# Altium PCB LimePSB-RPCM_1v4.PcbDoc (part 2 of 12)
Units mm, origin at the board's own origin, x right, y up, seen from the top; angles counter-clockwise.
Board outline 170 x 110 mm, 6 copper layers (Top, L2, L3, L4, L5, Bottom), stack 1.583 mm thick; 1007 components, 587 nets, 4215 pads, 1928 vias.
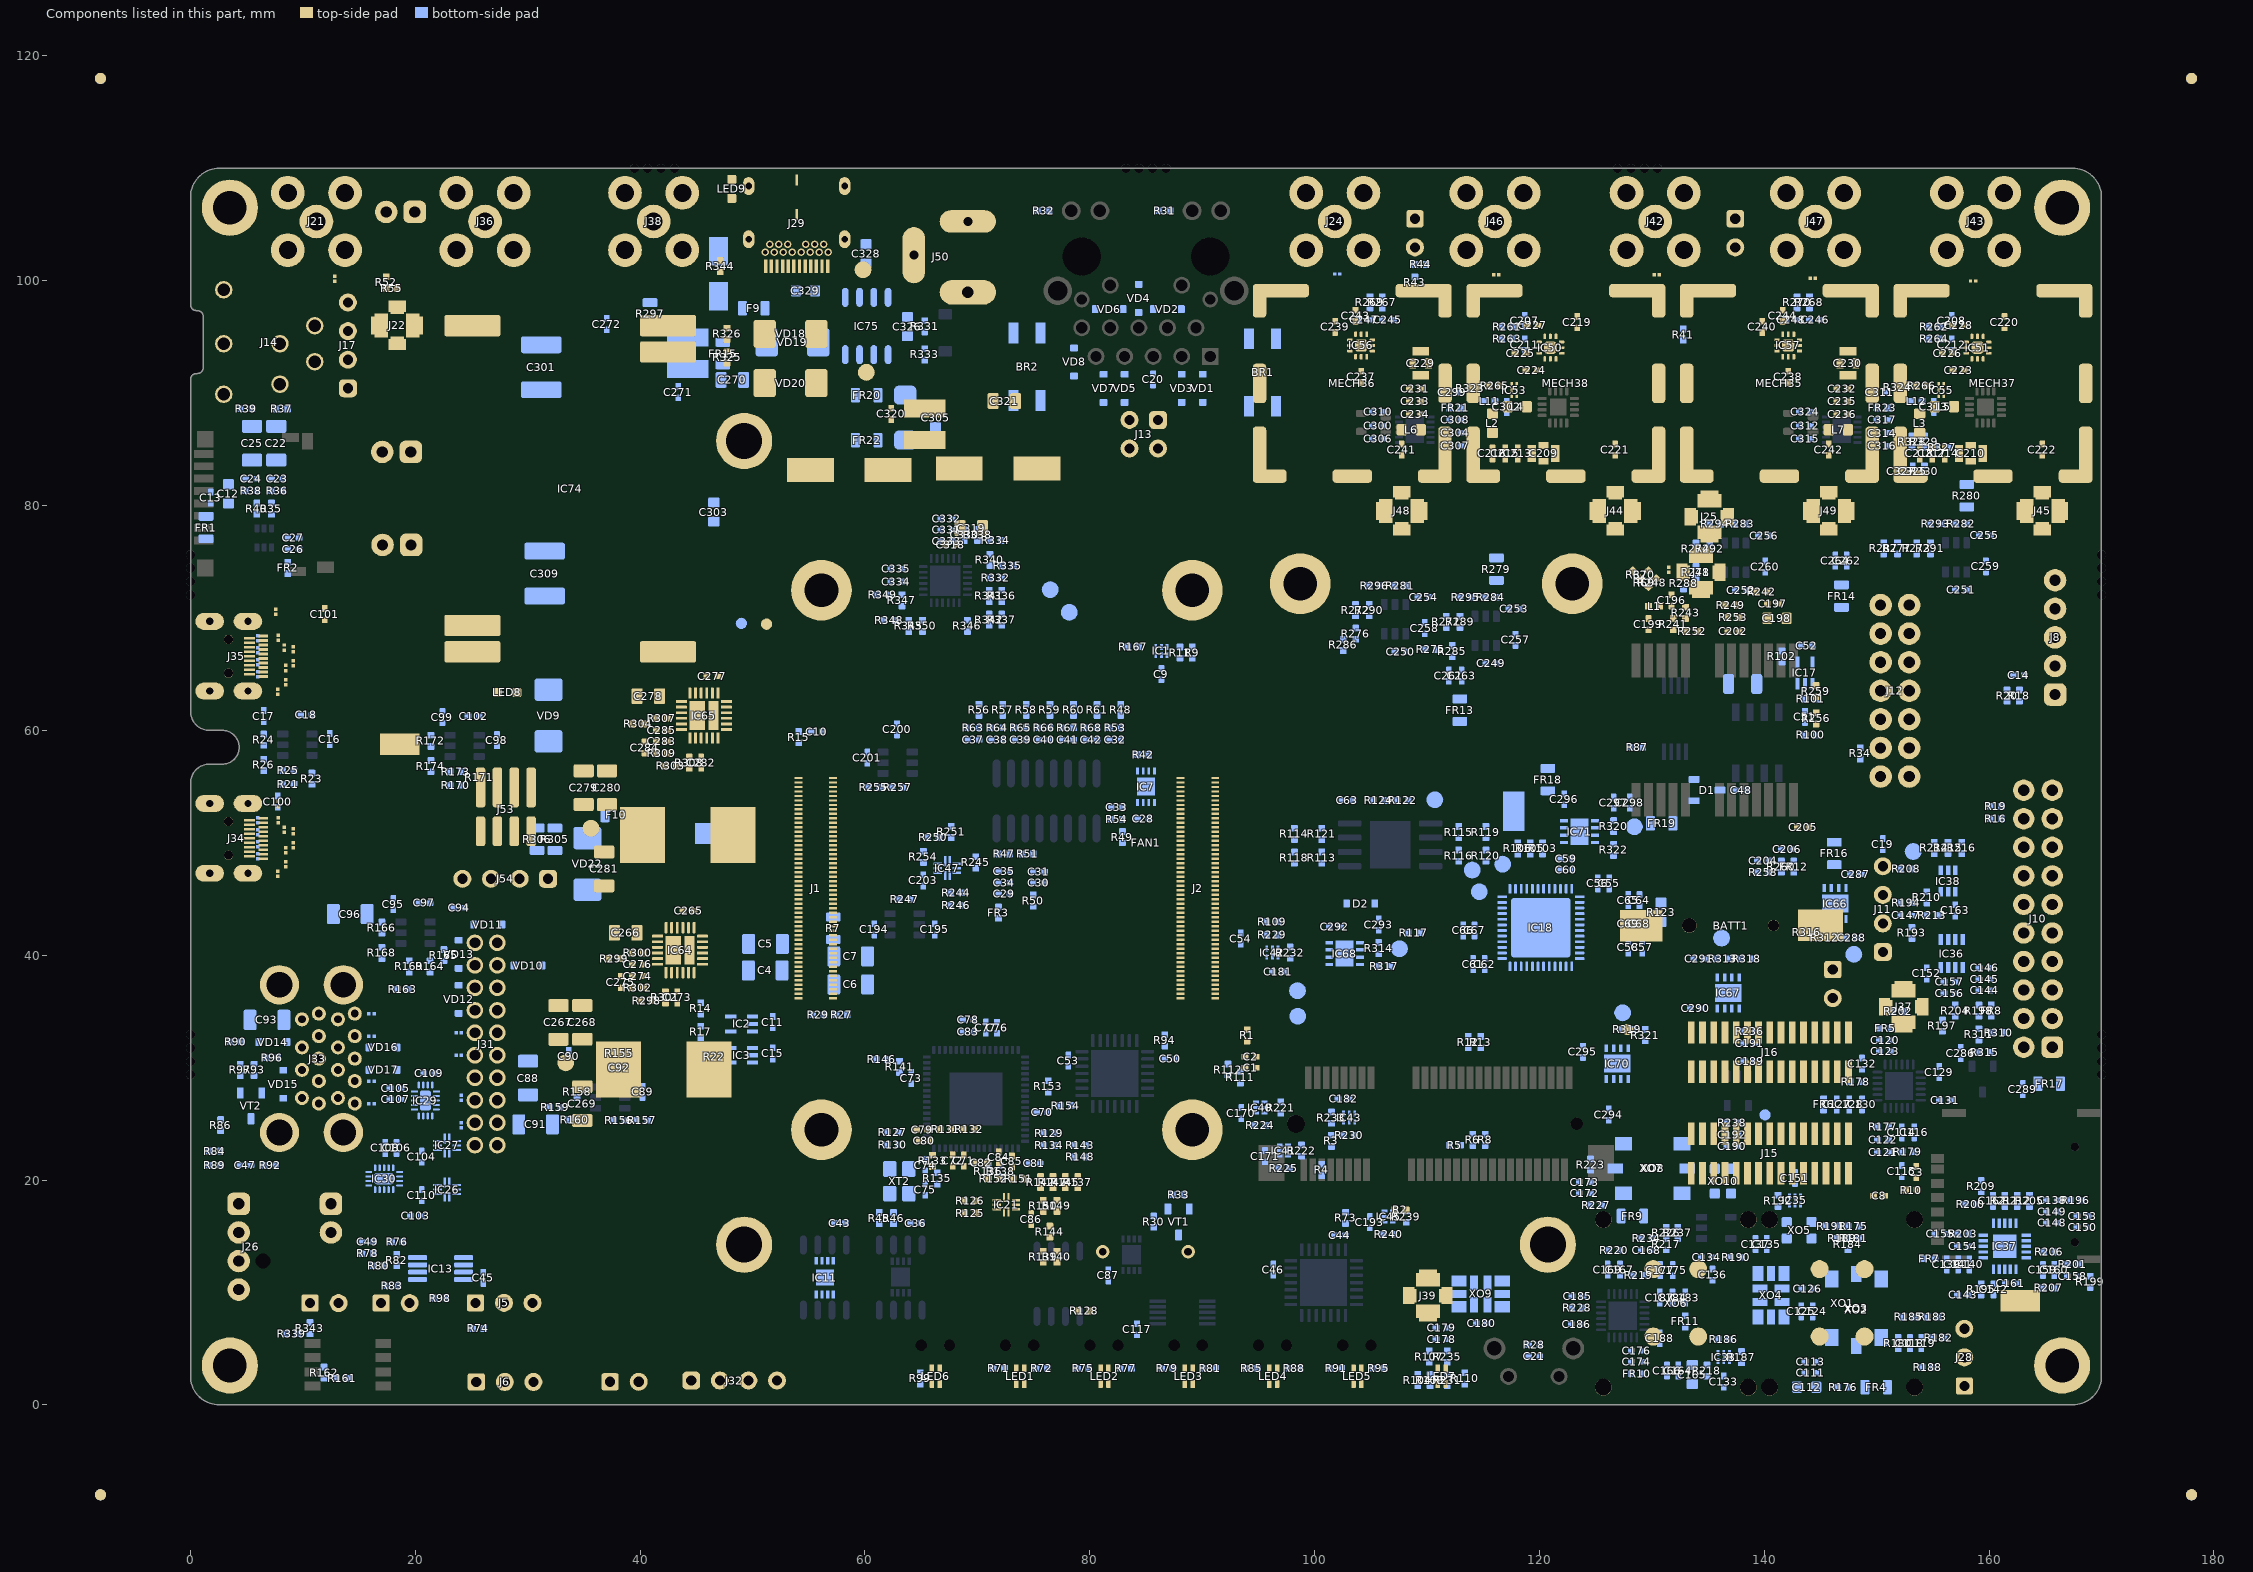
[diagram p6: the components of this part, seen from the top]

## Components (designator, comment, footprint, x,y, rotation, side; value= is the part's Value field where it differs from the comment) (continued)
J31 "Header 10X2" Header10x2_TH_2MM 26.3,32.1 r270 top locked
J32 "USB" HEADER4X1_TH 48.359,2.163 r0 top
J33 "48406-0003" Dual_USB_48406-0003_Molex 11.26,30.8 r270 top locked
J34 "Micro HDMI" MICRO_HDMI_Wurth_685119248123 3.05,50.398 r270 top locked
J35 "Micro HDMI" MICRO_HDMI_Wurth_685119248123 3.05,66.598 r270 top locked
J36 "SMA panel mount" SMA_connector_side 26.2,105.275 r270 top locked
J37 "U.FL/MMCX" MMCX_UFL_conn_u 152.4,35.425 r90 top
J38 "SMA panel mount" SMA_connector_side 41.2,105.275 r270 top locked
J39 "U.FL/MMCX" MMCX_UFL_conn_u 110.075,9.725 r270 top
J40 "Batt" HDR_1x2 146.1,37.45 r0 top
J41 "U.FL/MMCX" MMCX_UFL_conn_u 134.375,74.075 r90 top
J42 "SMA panel mount" SMA_connector_side 130.3,105.275 r270 top locked
J43 "SMA panel mount" SMA_connector_side 158.8,105.275 r270 top locked
J44 "U.FL/MMCX" MMCX_UFL_conn_u 126.74,79.525 r0 top
J45 "U.FL/MMCX" MMCX_UFL_conn_u 164.74,79.525 r0 top
J46 "SMA panel mount" SMA_connector_side 116.05,105.275 r270 top locked
J47 "SMA panel mount" SMA_connector_side 144.55,105.275 r270 top locked
J48 "U.FL/MMCX" MMCX_UFL_conn_u 107.74,79.525 r0 top
J49 "U.FL/MMCX" MMCX_UFL_conn_u 145.74,79.525 r0 top
J50 "CONN_PWR_JACK_2.1x5.5mm" CONN_PWR_JACK_v2 69.15,112.975 r0 top locked
J51 "Header 2X1" Header1x2_TH_LOCKING 18.35,76.5 r0 top
J52 "Header 2X1" Header1x2_TH_LOCKING 18.325,84.775 r0 top
J53 "Scap" 874370443_1P5_SMD_HEADER 28.05,52.975 r270 top
J54 "Scap" HEADER4X1_TH 28,46.8 r180 top
J55 "Header 2X1" HDR_1x2 11.9,9.05 r90 top
L1 "47nH" RES0402#2 130.2,71.05 r0 top
L2 "220nH, 2%" RES0603#1 115.825,87.325 r90 top
L3 "220nH, 2%" RES0603#1 153.825,87.325 r90 top
L4 "22nH, 2%" RES0603#1 118.025,88.8 r0 top
L5 "22nH, 2%" RES0603#1 156.025,88.8 r0 top
L6 "22nH, 2%" RES0603#1 108.59,86.75 r180 top
L7 "22nH, 2%" RES0603#1 146.59,86.75 r180 top
L8 "1uH, 3.2A" NRS4018T3R3MDGJ_inductor 44.225,93.55 r270 bottom
L9 "2.2µH" FDVE1040_TOKO_INDUCTOR 42.089,29.825 r180 top
L10 "3.3µH" FDVE1040_TOKO_INDUCTOR 44.225,50.7 r180 top
L11 "0R" RES0402#1 115.543,89.283 r180 bottom
L12 "0R" RES0402#1 153.543,89.283 r180 bottom
L13 "1uH, 3.2A" NRS4018T3R3MDGJ_inductor 65.325,87.225 r90 top
LED1 "LED_RG_SMD" LED-2x0603 73.785,2.628 r90 top
LED2 "LED_RG_SMD" LED-2x0603 81.285,2.628 r90 top
LED3 "LED_RG_SMD" LED-2x0603 88.785,2.628 r90 top
LED4 "LED_RG_SMD" LED-2x0603 96.285,2.625 r90 top
LED5 "LED_RG_SMD" LED-2x0603 103.785,2.625 r90 top
LED6 "LED_RG_SMD" LED-2x0603 66.285,2.628 r90 top
LED7 "LED_RG_SMD" LED-2x0603 111.285,2.625 r90 top
LED8 "LED_green" LED-0603-GREEN 28.175,63.375 r180 top
LED9 "Green" LED-0603-GREEN 48.15,108.175 r90 top
MECH2 "SMD spacer (M2, 1.5mm)" 9774015243R_SMT_M2_STANDOFF_SPACER 122.925,73.05 r90 top
MECH4 "SMD spacer (M2, 1.5mm)" 9774015243R_SMT_M2_STANDOFF_SPACER 98.725,73.05 r90 top
MECH6 "SMD spacer (M2, 1.5mm)" 9774015243R_SMT_M2_STANDOFF_SPACER 56.125,72.475 r90 top
MECH8 "SMD spacer (M2, 1.5mm)" 9774015243R_SMT_M2_STANDOFF_SPACER 89.125,72.475 r90 top
MECH10 "SMD spacer (M2, 1.5mm)" 9774015243R_SMT_M2_STANDOFF_SPACER 89.125,24.475 r90 top
MECH12 "SMD spacer (M2, 1.5mm)" 9774015243R_SMT_M2_STANDOFF_SPACER 56.125,24.475 r90 top
MECH13 "Light pipe" LIGHT_PIPE_RIGHT_ANGLE_SLP3-200-100-F 73.785,5.303 r270 top locked
MECH14 "Light pipe" LIGHT_PIPE_RIGHT_ANGLE_SLP3-200-100-F 81.285,5.303 r270 top locked
MECH15 "Light pipe" LIGHT_PIPE_RIGHT_ANGLE_SLP3-200-100-F 88.785,5.303 r270 top locked
MECH16 "Light pipe" LIGHT_PIPE_RIGHT_ANGLE_SLP3-200-100-F 96.285,5.303 r270 top locked
MECH17 "Light pipe" LIGHT_PIPE_RIGHT_ANGLE_SLP3-200-100-F 103.785,5.3 r270 top locked
MECH18 "Light pipe" LIGHT_PIPE_RIGHT_ANGLE_SLP3-200-100-F 66.285,5.303 r270 top locked
MECH19 "# pcs." PCB_standoff 3.5,3.5 r180 bottom
MECH20 "# pcs." PCB_standoff 3.5,106.5 r180 bottom
MECH21 "# pcs." PCB_standoff 166.5,106.5 r180 bottom
MECH22 "# pcs." PCB_standoff 166.5,3.5 r180 bottom
MECH35 "RF SHIELD FRAME" RF_SHIELD_FRAME_16P5x16P5_2118716-2_v1 141.35,90.875 r0 top locked
MECH36 "RF SHIELD FRAME" RF_SHIELD_FRAME_16P5x16P5_2118716-2_v1 103.35,90.875 r0 top locked
MECH37 "RF SHIELD FRAME" RF_SHIELD_FRAME_16P5x16P5_2118716-2_v1 160.35,90.875 r0 top locked
MECH38 "RF SHIELD FRAME" RF_SHIELD_FRAME_16P5x16P5_2118716-2_v1 122.35,90.875 r0 top locked
MECH39 "RF SHIELD COVER" RF_SHIELD_COVER_16Px916P9_2118715-2 103.35,90.89 r90 top
MECH40 "RF SHIELD COVER" RF_SHIELD_COVER_16Px916P9_2118715-2 122.35,90.875 r90 top
MECH41 "RF SHIELD COVER" RF_SHIELD_COVER_16Px916P9_2118715-2 160.35,90.875 r90 top
MECH42 "RF SHIELD COVER" RF_SHIELD_COVER_16Px916P9_2118715-2 141.35,90.89 r90 top
R1 "0R" RES0402#2 94,32.875 r270 top
R2 "0R" RES0402_v2#1 107.625,17.35 r0 top
R3 "0R" RES0402#1 101.5,23.475 r90 bottom
R4 "0R" RES0402#1 100.625,20.9 r270 bottom
R5 "0R" RES0402#1 112.475,23.1 r180 bottom
R6 "0R" RES0402#1 114.075,23.575 r90 bottom
R7 "0R" RES0805 57.175,42.4 r90 bottom
R8 "0R" RES0402#1 115.175,23.575 r90 bottom
R9 "0R" RES0402#1 89.125,66.925 r270 bottom
R10 "0R" RES0402#2 153.09,19.11 r0 top
R11 "0R" RES0402#1 88.025,66.925 r270 bottom
R12 "0R" RES0402#1 113.675,32.275 r90 bottom
R13 "0R" RES0402#1 114.775,32.275 r90 bottom
R14 "100k, 1%" RES0402#1 45.4,35.275 r270 bottom
R15 "10k, 1%" RES0402#1 54.1,59.4 r90 bottom
R16 "2k2, 1%" RES0402#1 160.6,52.15 r180 bottom
R17 "0R" RES0402#1 45.4,33.175 r90 bottom
R18 "0R" RES0402#1 162.7,63.1 r90 bottom
R19 "2k2, 1%" RES0402#1 160.6,53.25 r180 bottom
R20 "0R" RES0402#1 161.6,63.1 r90 bottom
R21 "0R" RES0402#1 8.7,55.213 r0 bottom
R22 "0R" RES0402#1 46.575,30.95 r90 bottom
R23 "10k, 1%" RES0402#1 10.8,55.7 r270 bottom
R24 "0R" RES0402#1 6.51,59.173 r90 bottom
R25 "10k, 1%" RES0402#1 8.7,56.438 r180 bottom
R26 "470R, 1%" RES0402#1 6.51,56.923 r90 bottom
R27 "0R" RES0402_v2#2 57.925,34.7 r180 bottom
R28 "10k, 1%" RES0402#1 119.525,5.355 r180 bottom
R29 "0R" RES0402_v2#2 55.85,34.7 r0 bottom
R30 "0R" RES0402#1 85.685,16.29 r270 bottom
R31 "470R, 1%" RES0402#1 86.65,106.225 r180 bottom
R32 "470R, 1%" RES0402#1 75.9,106.225 r180 bottom
R33 "1k, 1%" RES0402#1 87.91,18.69 r0 bottom
R34 "0R" RES0402#1 148.55,57.95 r90 bottom
R35 "220R, 1%" RES0402#1 7.2,79.725 r90 bottom
R36 "100R, 1%" RES0402#1 7.7,81.325 r180 bottom
R37 "2k2, 1%" RES0402#1 8.125,88.6 r0 bottom
R38 "100R, 1%" RES0402#1 5.4,81.325 r180 bottom
R39 "2k2, 1%" RES0402#1 4.975,88.625 r0 bottom
R40 "220R, 1%" RES0402#1 5.9,79.725 r90 bottom
R41 "1k, 1%" RES0402#1 132.806,95.218 r90 bottom
R42 "10k, 1%" RES0402#1 84.75,57.851 r180 bottom
R43 "0R" RES0402#1 108.925,99.85 r270 bottom
R44 "1k, 1%" RES0402#1 109.425,101.45 r0 bottom
R45 "2k2, 1%" RES0402#1 61.27,16.615 r90 bottom
R46 "2k2, 1%" RES0402#1 62.54,16.615 r90 bottom
R47 "3k, 1%" RES0402#1 72.376,49.01 r180 bottom
R48 "22k, 1%" RES0402#1 82.751,61.835 r270 bottom
R49 "10k, 1%" RES0402#1 82.9,50.5 r90 bottom
R50 "0R" RES0402_v2#2 74.976,44.86 r90 bottom
R51 "10k, 1%" RES0402#1 74.474,49.01 r0 bottom
R52 "0R" RES0402_v2#1 17.4,99.85 r90 top
R53 "10k, 1%" RES0402#1 82.251,60.235 r180 bottom
R54 "10k, 1%" RES0402#1 82.4,52.1 r180 bottom
R55 "0R" RES0402_v2#1 17.9,99.35 r0 top
R56 "10k, 1%" RES0402#1 70.151,61.835 r270 bottom
R57 "10k, 1%" RES0402#1 72.251,61.835 r270 bottom
R58 "10k, 1%" RES0402#1 74.351,61.835 r270 bottom
R59 "10k, 1%" RES0402#1 76.451,61.835 r270 bottom
R60 "10k, 1%" RES0402#1 78.551,61.835 r270 bottom
R61 "10k, 1%" RES0402#1 80.651,61.835 r270 bottom
R62 "0R" RES0402_v2#1 128.639,73.836 r135 top
R63 "1.6k, 1%" RES0402#1 69.651,60.235 r0 bottom
R64 "1.6k, 1%" RES0402#1 71.751,60.235 r0 bottom
R65 "1.6k, 1%" RES0402#1 73.851,60.235 r0 bottom
R66 "1.6k, 1%" RES0402#1 75.951,60.235 r0 bottom
R67 "1.6k, 1%" RES0402#1 78.051,60.235 r0 bottom
R68 "1.6k, 1%" RES0402#1 80.151,60.235 r0 bottom
R69 "0R" RES0402_v2#1 129.346,73.129 r315 top
R70 "0R" RES0402_v2#1 129.346,73.836 r45 top
R71 "330R, 1%" RES0402#1 71.91,3.253 r0 bottom
R72 "330R, 1%" RES0402#1 75.71,3.253 r180 bottom
R73 "10k, 1%" RES0402#1 102.75,16.625 r90 bottom
R74 "1k, 1%" RES0402#1 25.575,6.8 r0 bottom
R75 "330R, 1%" RES0402#1 79.41,3.253 r0 bottom
R76 "10k, 1%" RES0402#1 18.375,14.5 r0 bottom
R77 "330R, 1%" RES0402#1 83.21,3.253 r180 bottom
R78 "1k, 1%" RES0402#1 15.75,13.475 r0 bottom
R79 "330R, 1%" RES0402#1 86.91,3.253 r0 bottom
R80 "12k, 1%" RES0402#1 16.75,12.375 r0 bottom
R81 "330R, 1%" RES0402#1 90.71,3.253 r180 bottom
R82 "10k, 1%" RES0402#1 18.35,12.875 r90 bottom
R83 "0R" RES0402#1 17.95,10.6 r0 bottom
R84 "0R" RES0402#1 2.175,22.578 r0 bottom
R85 "330R, 1%" RES0402#1 94.41,3.25 r0 bottom
R86 "0R" RES0402#1 2.675,24.875 r270 bottom
R87 "0R" RES0402#1 128.7,58.5 r0 bottom
R88 "330R, 1%" RES0402#1 98.21,3.25 r180 bottom
R89 "0R" RES0402#1 2.175,21.325 r0 bottom
R90 "100k, 1%" RES0402#1 4.025,32.3 r0 bottom
R91 "330R, 1%" RES0402#1 101.91,3.25 r0 bottom
R92 "0R" RES0402#1 7.075,21.325 r180 bottom
R93 "0R" RES0402#1 5.65,29.8 r270 bottom
R94 "10k, 1%" RES0402#1 86.675,32.425 r90 bottom
R95 "330R, 1%" RES0402#1 105.71,3.25 r180 bottom
R96 "100k, 1%" RES0402#1 7.25,30.875 r0 bottom
R97 "0R" RES0402#1 4.425,29.8 r270 bottom
R98 "0R" RES0402#1 22.2,9.5 r0 bottom
R99 "330R, 1%" RES0402#1 64.91,2.353 r90 bottom
R100 "470k, 1%" RES0402#1 144.125,59.6 r0 bottom
R101 "470k, 1%" RES0402#1 144.125,62.8 r0 bottom
R102 "0R" RES0402#1 141.575,66.575 r270 bottom
R103 "0R" RES0402#1 120.275,49.5 r90 bottom
R104 "330R, 1%" RES0402#1 109.175,2.2 r270 bottom
R105 "0R" RES0402#1 119.175,49.5 r90 bottom
R106 "0R" RES0402#1 118.075,49.5 r90 bottom
R107 "330R, 1%" RES0402#1 110.2,4.3 r90 bottom
R108 "0R" RES0402#1 110.275,2.2 r270 bottom
R109 "10k, 1%" RES0402#1 96.25,42.975 r180 bottom
R110 "330R, 1%" RES0402#1 113.35,2.35 r90 bottom
R111 "0R" RES0402#1 93.4,29.125 r90 bottom
R112 "0R" RES0402#1 92.3,29.825 r90 bottom
R113 "0R" RES0402#1 100.635,48.69 r90 bottom
R114 "0R" RES0402#1 98.21,50.79 r90 bottom
R115 "0R" RES0402#1 112.815,50.96 r270 bottom
R116 "0R" RES0402#1 112.815,48.86 r270 bottom
R117 "0R" RES0402#1 108.825,42 r180 bottom
R118 "0R" RES0402#1 98.21,48.69 r90 bottom
R119 "0R" RES0402#1 115.24,50.96 r90 bottom
R120 "10k, 1%" RES0402#1 115.24,48.86 r90 bottom
R121 "10k, 1%" RES0402#1 100.635,50.79 r90 bottom
R122 "0R" RES0402#1 107.825,53.775 r0 bottom
R123 "100R, 1%" RES0603#2 130.825,43.825 r270 bottom
R124 "10k, 1%" RES0402#1 105.725,53.775 r180 bottom
R125 "0R" RES0402#2 69.377,17.063 r180 top
R126 "0R" RES0402#2 69.375,18.15 r180 top
R127 "0R" RES0402#1 62.475,24.25 r0 bottom
R128 "10k, 1%" RES0402#2 79.5,8.35 r180 top
R129 "10k, 1%" RES0402#1 76.375,24.175 r180 bottom
R130 "0R" RES0402#1 62.475,23.15 r0 bottom
R131 "10k, 1%" RES0402#2 67.175,24.5 r180 top
R132 "0R" RES0402#2 69.275,24.5 r0 top
R133 "12k, 1%" RES0402#2 66.012,21.712 r270 top
R134 "10k, 1%" RES0402#1 76.375,23.075 r0 bottom
R135 "1M, 1%" RES0402#1 66.425,20.15 r270 bottom
R136 "0R" RES0402#1 70.975,20.8 r90 bottom
R137 "2k2, 1%" RES0402#2 78.925,19.806 r270 top
R138 "0R" RES0402#1 72.075,20.8 r90 bottom
R139 "0R" RES0402#2 75.85,13.175 r270 top
R140 "0R" RES0402#2 77.075,13.175 r270 top
R141 "10k, 1%" RES0402#1 63.075,30.075 r270 bottom
R142 "10k, 1%" RES0402#2 75.625,19.806 r90 top
R143 "10k, 1%" RES0402#1 79.15,23.1 r180 bottom
R144 "0R" RES0402#2 76.45,15.4 r270 top
R145 "0R" RES0402#2 77.825,19.806 r90 top
R146 "10k, 1%" RES0402#1 61.475,30.725 r0 bottom
R147 "10k, 1%" RES0402#2 76.725,19.806 r270 top
R148 "10k, 1%" RES0402#1 79.15,22.05 r0 bottom
R149 "2k2, 1%" RES0402#2 77.075,17.7 r90 top
R150 "2k2, 1%" RES0402#2 75.85,17.7 r270 top
R151 "0R" RES0402#2 73.675,20.1 r0 top
R152 "0R" RES0402#2 71.45,20.106 r180 top
R153 "0R" RES0402#1 76.3,28.325 r90 bottom
R154 "0R" RES0402#1 77.85,26.625 r0 bottom
R155 "0R" RES0402#1 38.125,31.275 r0 bottom
R156 "0R" RES0402#1 38.125,25.329 r180 bottom
R157 "0R" RES0402#1 40.166,25.329 r0 bottom
R158 "0R" RES0402#1 34.387,27.837 r90 bottom
R159 "470R, 1%" RES0402#1 32.425,26.475 r0 bottom
R160 "0R" RES0402#1 34.2,25.375 r180 bottom
R161 "0R" RES0402#1 13.512,2.374 r0 bottom
R162 "10k, 1%" RES0402#1 11.875,2.875 r90 bottom
R163 "0R" RES0402#1 18.863,36.975 r0 bottom
R164 "0R" RES0402#1 21.313,39 r270 bottom
R165 "0R" RES0402#1 22.538,40 r90 bottom
R166 "0R" RES0402#1 17.023,42.448 r90 bottom
R167 "0R" RES0402#1 83.85,67.45 r0 bottom
R168 "470R, 1%" RES0402#1 17.023,40.198 r90 bottom
R169 "0R" RES0402#1 19.463,39 r270 bottom
R170 "0R" RES0402#1 23.575,55.113 r0 bottom
R171 "10k, 1%" RES0402#1 25.675,55.838 r270 bottom
R172 "0R" RES0402#1 21.385,59.073 r90 bottom
R173 "10k, 1%" RES0402#1 23.575,56.338 r180 bottom
R174 "470R, 1%" RES0402#1 21.385,56.823 r90 bottom
R175 "0R" RES0402_v2#2 147.95,15.9 r0 bottom
R176 "0R" RES0402#1 147.025,1.575 r180 bottom
R177 "0R" RES0402#1 150.575,24.75 r0 bottom
R178 "0R" RES0402#1 148.15,28.75 r0 bottom
R179 "49.9R, 1%" RES0402#1 152.75,22.525 r180 bottom
R180 "0R" RES0402#1 151.915,5.49 r90 bottom
R181 "0R" RES0402_v2#2 147.95,14.8 r0 bottom
R182 "0R" RES0402#1 155.515,5.99 r0 bottom
R183 "0R" RES0402#1 155,7.825 r180 bottom
R184 "0R" RES0402_v2#2 147.45,14.3 r90 bottom
R185 "22R, 1%" RES0402#1 152.875,7.825 r180 bottom
R186 "0R" RES0402_v2#2 136.4,5.825 r180 bottom
R187 "0R" RES0402_v2#2 137.975,4.25 r90 bottom
R188 "0R" RES0402#1 154.525,3.35 r180 bottom
R189 "0R" RES0402_v2#2 146.95,14.8 r180 bottom
R190 "0R" RES0402#1 137.5,13.125 r180 bottom
R191 "0R" RES0402_v2#2 145.95,15.9 r180 bottom
R192 "0R" RES0402_v2#2 141.225,18.15 r90 bottom
R193 "1k, 1%" RES0402#1 153.14,41.989 r270 bottom
R194 "0R" RES0402#1 152.64,44.659 r0 bottom
R195 "49.9R, 1%" RES0402#1 159.3,10.275 r270 bottom
R196 "10R, 1%" RES0402#1 167.725,18.2 r180 bottom
R197 "0R" RES0402_v2#2 155.849,33.739 r270 bottom
R198 "3k, 1%" RES0402#1 159.099,35.074 r90 bottom
R199 "0R" RES0402#1 168.999,10.95 r270 bottom
R200 "1k, 1%" RES0402#1 158.364,17.84 r180 bottom
R201 "470R, 1%" RES0402#1 167.449,12.5 r0 bottom
R202 "100R, 1%" RES0402#1 151.9,35 r180 bottom
R203 "49.9R, 1%" RES0402#1 157.7,15.2 r180 bottom
R204 "10k, 1%" RES0402#1 156.999,35.075 r270 bottom
R205 "10k, 1%" RES0402#1 163.6,18.15 r90 bottom
R206 "10k, 1%" RES0402#1 165.349,13.6 r0 bottom
R207 "330R, 1%" RES0402#1 165.299,10.4 r180 bottom
R208 "10k, 1%" RES0402#1 152.64,47.675 r0 bottom
R209 "49.9R, 1%" RES0402#1 159.3,19.45 r270 bottom
R210 "3k, 1%" RES0402#1 154.465,45.149 r90 bottom
R211 "49.9R, 1%" RES0402#1 161.4,18.15 r270 bottom
R212 "49.9R, 1%" RES0402#1 162.5,18.15 r270 bottom
R213 "10k, 1%" RES0402#1 154.965,43.549 r0 bottom
R214 "49.9R, 1%" RES0402#1 155.124,49.549 r90 bottom
R215 "49.9R, 1%" RES0402#1 156.349,49.549 r90 bottom
R216 "49.9R, 1%" RES0402#1 157.574,49.549 r90 bottom
R217 "0R" RES0402_v2#2 131.275,14.3 r270 bottom
R218 "0R" RES0402#1 134.9,3.047 r90 bottom
R219 "0R" RES0402#1 128.839,11.524 r180 bottom
R220 "49.9R, 1%" RES0402#1 126.664,13.749 r0 bottom
R221 "0R" RES0402_v2#2 96.987,26.45 r90 bottom
R222 "0R" RES0402_v2#2 98.837,22.625 r90 bottom
R223 "0R" RES0402#1 124.55,21.375 r270 bottom
R224 "0R" RES0402_v2#2 95.162,24.875 r0 bottom
R225 "0R" RES0402_v2#2 97.262,21.05 r0 bottom
R226 "0R" RES0402_v2#2 131.275,15.3 r90 bottom
R227 "0R" RES0402#1 125.05,17.775 r0 bottom
R228 "0R" RES0402#1 123.364,8.624 r0 bottom
R229 "0R" RES0402_v2#2 96.25,41.8 r180 bottom
R230 "0R" RES0402_v2#2 103.075,23.975 r0 bottom
R231 "0R" RES0402#1 111.8,2.2 r90 bottom
R232 "0R" RES0402_v2#2 97.825,40.225 r90 bottom
R233 "0R" RES0402_v2#2 101.5,25.55 r270 bottom
R234 "0R" RES0402_v2#2 129.55,14.8 r0 bottom
R235 "22R, 1%" RES0402#1 111.8,4.3 r90 bottom
R236 "0R" RES0402#1 138.7,33.225 r0 bottom
R237 "0R" RES0402_v2#2 132.3,15.3 r90 bottom
R238 "0R" RES0402#1 137.175,25.075 r0 bottom
R239 "0R" RES0402_v2#2 108.162,16.75 r90 bottom
R240 "0R" RES0402_v2#2 106.587,15.175 r0 bottom
R241 "0R" RES0402#2 131.9,69.45 r270 top
R242 "0R" RES0402#2 139.775,72.325 r180 top
R243 "10R, 1%" RES0402#2 133,70.45 r270 top
R244 "0R" RES0402#1 68.1,45.55 r0 bottom
R245 "0R" RES0402#1 69.863,48.25 r90 bottom
R246 "2k2, 1%" RES0402#1 68.1,44.45 r0 bottom
R247 "0R" RES0402#1 63.525,44.972 r180 bottom
R248 "0R" RES0402_v2#1 130.054,73.129 r225 top
R249 "0R" RES0402#2 137,71.15 r0 top
R250 "2k2, 1%" RES0402#1 66.075,50.475 r180 bottom
R251 "2k2, 1%" RES0402#1 67.675,50.975 r90 bottom
R252 "0R" RES0402#2 133.575,68.8 r180 top
R253 "0R" RES0402#2 137.25,70.05 r180 top
R254 "10k, 1%" RES0402#1 65.2,48.75 r90 bottom
R255 "2k2, 1%" RES0402#1 60.8,54.95 r180 bottom
R256 "0R" RES0402#2 144.625,61.075 r90 top
R257 "0R" RES0402#1 62.9,54.953 r0 bottom
R258 "0R" RES0402#1 139.9,47.375 r180 bottom
R259 "0R" RES0402#2 144.6,63.5 r90 top
R260 "0R" RES0402#1 141.525,47.875 r90 bottom
R261 "100R, 1%" RES0402#1 117.143,95.925 r180 bottom
R262 "100R, 1%" RES0402#1 155.143,95.925 r180 bottom
R263 "100R, 1%" RES0402#1 117.143,94.825 r180 bottom
R264 "100R, 1%" RES0402#1 155.143,94.825 r180 bottom
R265 "49.9R, 1%" RES0402#2 116.025,90.65 r0 top
R266 "49.9R, 1%" RES0402#2 154.025,90.65 r0 top
R267 "100R, 1%" RES0402#1 106.025,98.075 r90 bottom
R268 "100R, 1%" RES0402#1 144.025,98.075 r90 bottom
R269 "100R, 1%" RES0402#1 104.925,98.075 r90 bottom
R270 "100R, 1%" RES0402#1 142.925,98.075 r90 bottom
R271 "0R" RES0402#1 111.715,69.66 r270 bottom
R272 "0R" RES0402#1 103.638,70.7 r270 bottom
R273 "0R" RES0402#1 153.563,76.2 r270 bottom
R274 "0R" RES0402#1 133.925,76.172 r270 bottom
R275 "100k, 1%" RES0402#1 110.325,67.2 r0 bottom
R276 "100k, 1%" RES0402#1 103.65,68.6 r270 bottom
R277 "100k, 1%" RES0402#1 151.85,76.2 r270 bottom
R278 "100k, 1%" RES0402#1 133.925,74.075 r270 bottom
R279 "0R" RES0805 116.177,74.348 r270 bottom
R280 "0R" RES0805 158.025,80.888 r270 bottom
R281 "0R" RES0402#1 107.598,72.89 r0 bottom
R282 "0R" RES0402#1 157.525,78.388 r0 bottom
R283 "0R" RES0402#1 137.885,78.363 r0 bottom
R284 "0R" RES0402#1 115.675,71.85 r0 bottom
R285 "100k, 1%" RES0402#1 112.25,67.05 r270 bottom
R286 "100k, 1%" RES0402#1 102.55,67.6 r270 bottom
R287 "100k, 1%" RES0402#1 150.625,76.2 r90 bottom
R288 "100k, 1%" RES0402#1 132.825,73.075 r270 bottom
R289 "10k, 1%" RES0402#1 112.94,69.66 r90 bottom
R290 "10k, 1%" RES0402#1 104.863,70.7 r90 bottom
R291 "10k, 1%" RES0402#1 154.788,76.2 r90 bottom
R292 "10k, 1%" RES0402#1 135.15,76.172 r90 bottom
R293 "470R, 1%" RES0402#1 155.273,78.39 r0 bottom
R294 "470R, 1%" RES0402#1 135.635,78.363 r0 bottom
R295 "470R, 1%" RES0402#1 113.425,71.85 r0 bottom
R296 "470R, 1%" RES0402#1 105.348,72.89 r0 bottom
R297 "0R" RES0805 40.875,97.05 r90 bottom
R298 "10k, 1%" RES0402#2 40.591,35.948 r0 top
R299 "44.2k, 1%" RES0402#2 37.7,39.7 r180 top
R300 "100k, 1%" RES0402#2 39.8,40.2 r180 top
R301 "2.21k, 1%" RES0402#2 42.25,36.25 r90 top
R302 "44.2k, 1%" RES0402#2 39.8,37.1 r0 top
R303 "22k, 1%" RES0402#2 42.709,56.834 r180 top
R304 "44.2k, 1%" RES0402#2 39.825,60.575 r180 top
R305 "100R, 1%" RES0805 32.42,50.314 r270 bottom
R306 "100R, 1%" RES0805 30.825,50.325 r270 bottom
R307 "100k, 1%" RES0402#2 41.925,61.075 r180 top
R308 "3k, 1%" RES0402#2 44.375,57.125 r90 top
R309 "44.2k, 1%" RES0402#2 41.925,57.975 r0 top
R310 "330R, 1%" RES0402#1 160.875,33.125 r0 bottom
R311 "0R" RES0402#1 159.1,32.95 r270 bottom
R312 "1.6k, 1%" RES0402#1 145.4,41.55 r0 bottom
R313 "1.2k, 1%" RES0402#1 136.325,39.675 r0 bottom
R314 "1k, 1%" RES0402#1 105.7,40.625 r90 bottom
R315 "0R" RES0402#1 159.6,31.35 r180 bottom
R316 "510R, 1%" RES0402#1 143.8,42.05 r90 bottom
R317 "470R, 1%" RES0402#1 106.2,39.025 r0 bottom
R318 "2.4k, 1%" RES0402#1 138.425,39.675 r180 bottom
R319 "1k, 1%" RES0402#1 127.825,33.4 r180 bottom
R320 "1.6k, 1%" RES0402#1 126.6,51.475 r90 bottom
R321 "1.2k, 1%" RES0402#1 129.425,32.9 r270 bottom
R322 "510R, 1%" RES0402#1 126.6,49.375 r270 bottom
R323 "68R, 1%" RES0402#1 113.865,90.461 r90 bottom
R324 "68R, 1%" RES0402#1 151.865,90.511 r90 bottom
R325 "68k, 1%" RES0402#2 47.725,93.175 r90 top
R326 "0R" RES0402#2 47.725,95.275 r90 top